# KiCad board ZSWatch-panelized.kicad_pcb (continued)
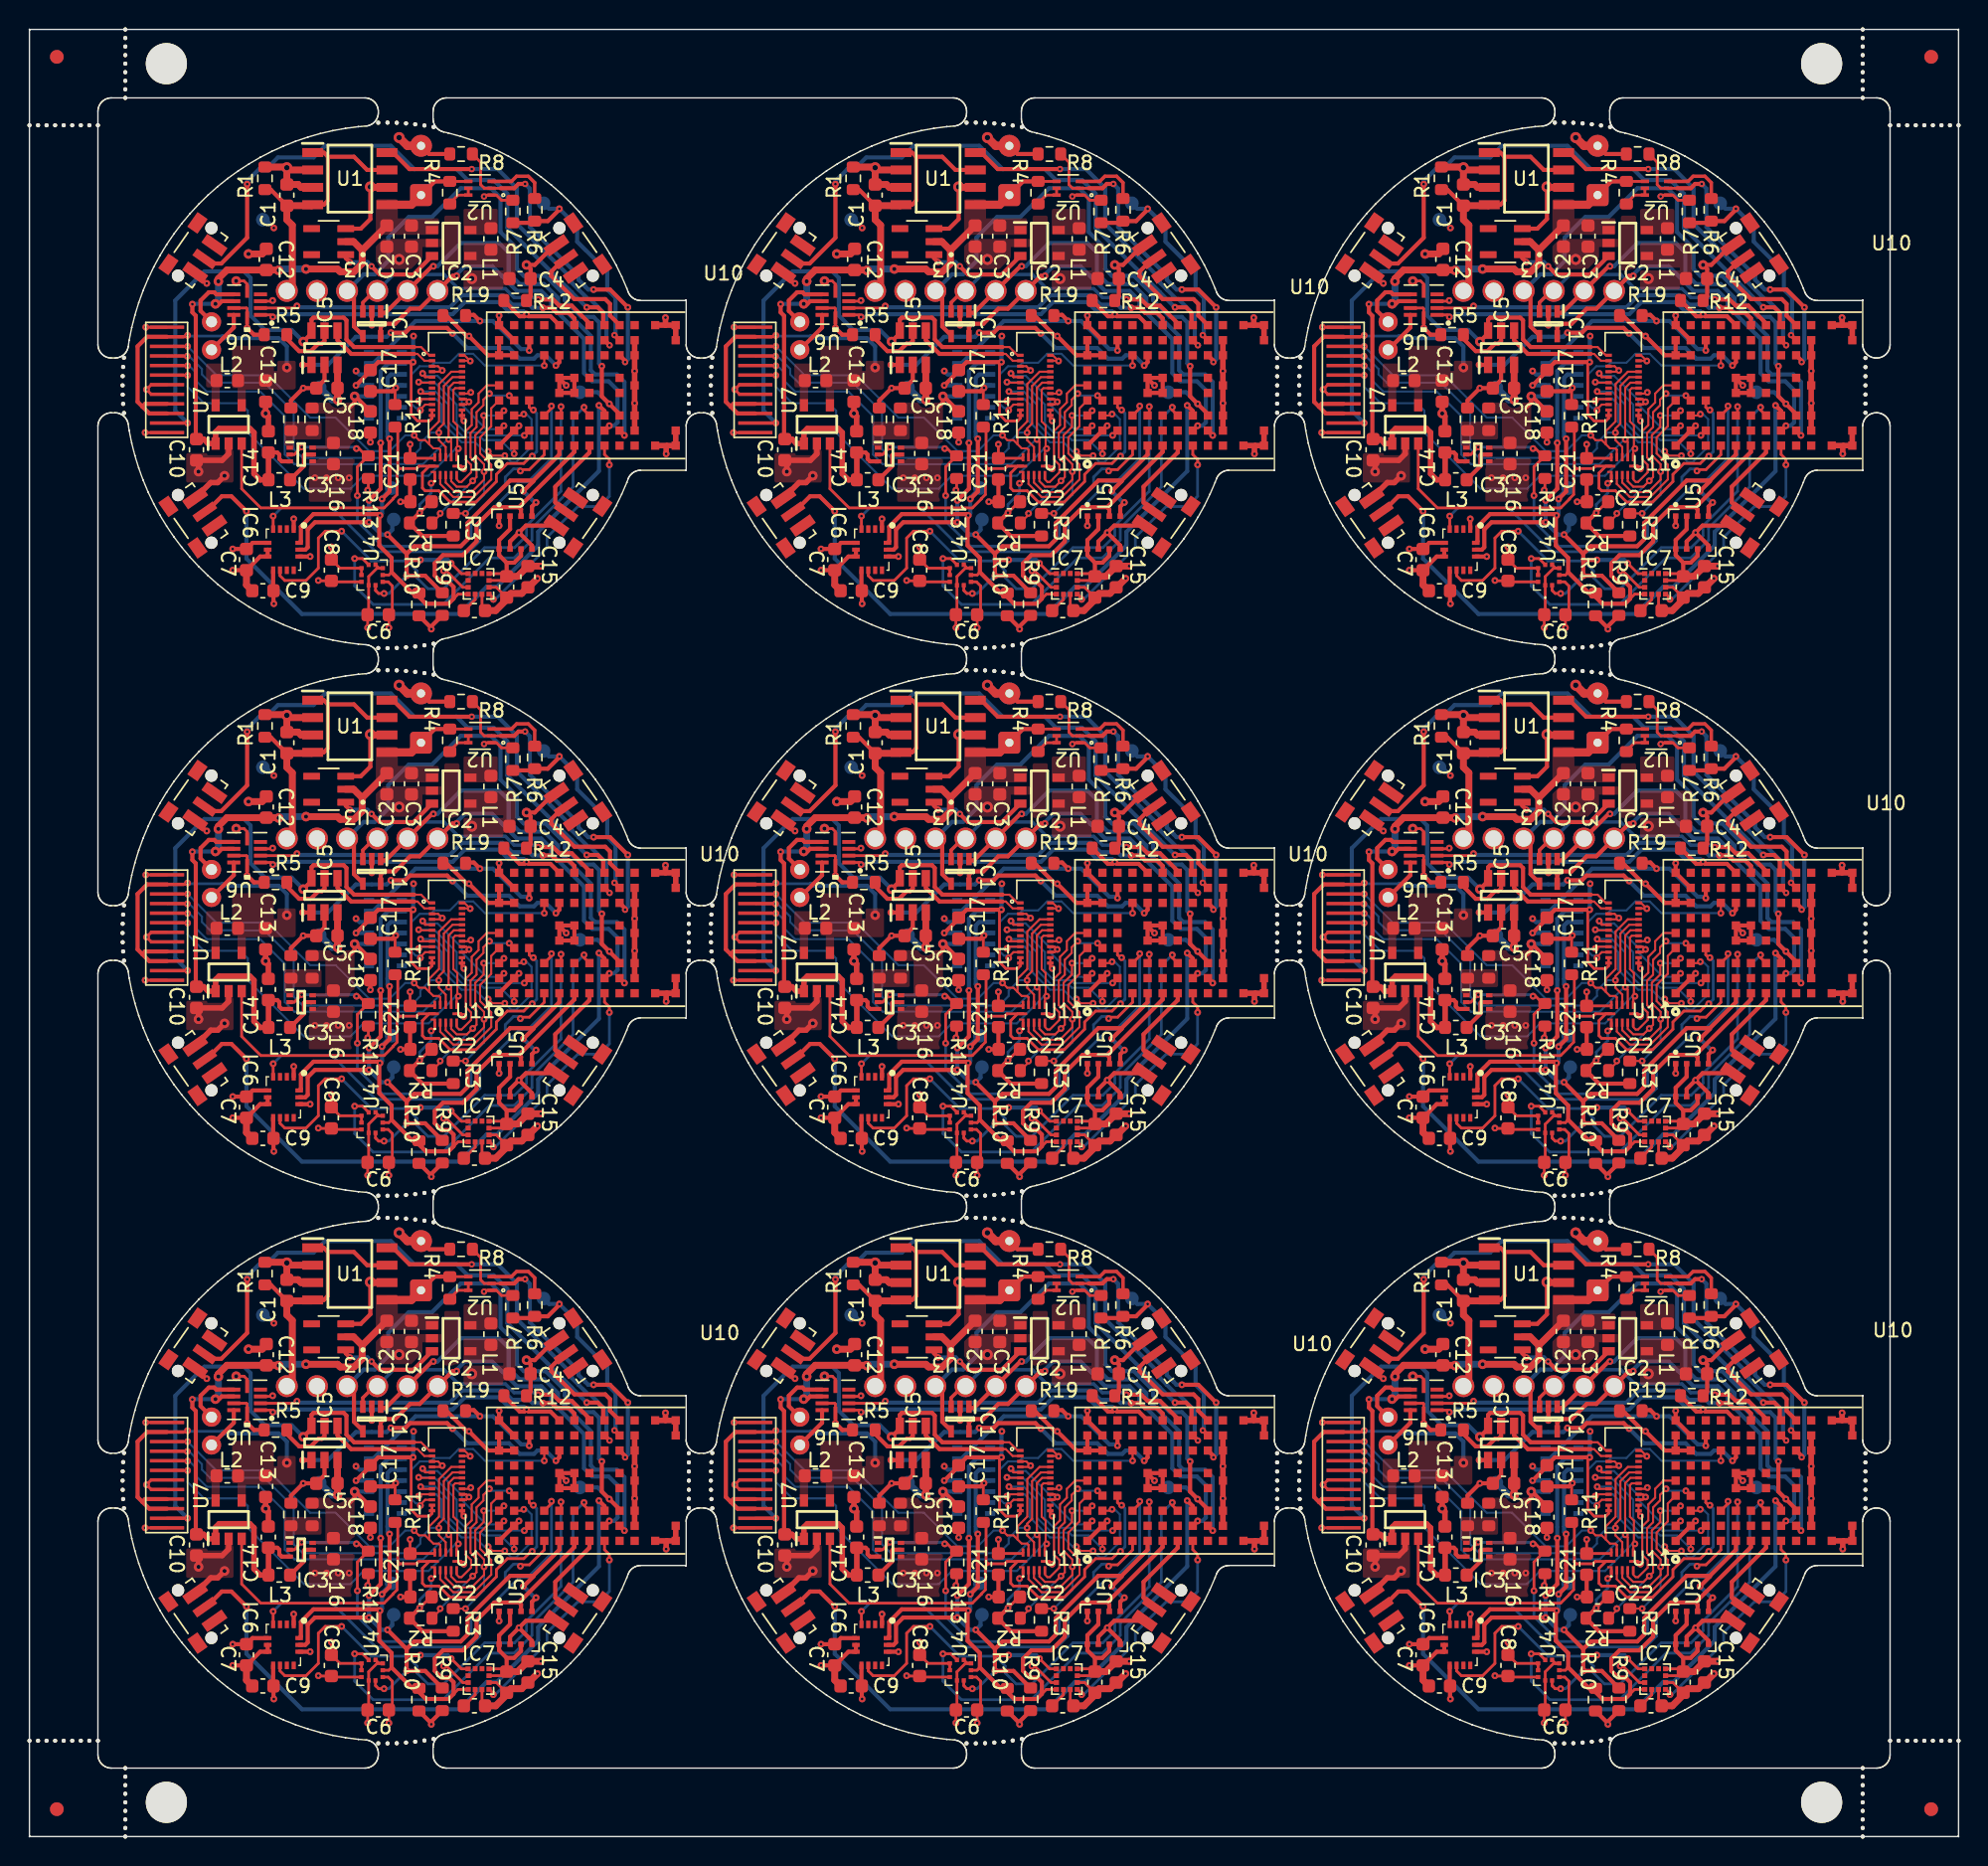
[diagram p0: board, top side]
## Routing (per net, layer and track width the routed paths; a pad name or vN(x,y) marks a point on that pad's centre or on a via; arc(x,y) is an arc through that point) (continued)
Board_0-SCL_ANNA: length 56.6
  Top w0.2: U4#3.2 25.27,91.02 25.5,90.8 v1(25.9,90.8) ; v1(30.8,93) 31.55,92.25 32,92.25
  Top w0.3: v1(36.07,98.27) 36.8,99 36.8,99.05 ; U5#3.4 36.7,97.15 v1(37,97.45) ; R9#8.1 28.9,92.1 v1(27.55,92.1) 27.55,93.25 ; 36.8,99.05 38.69,100.95 U10#6.E1 ; 36.8,99.05 35.1,99.05 32,95.95 32,94.76 31.49,94.25 28.1,94.25 27.55,93.7 ; 27.55,93.7 v1(26.15,95.1) ; 27.55,93.7 27.55,93.25 ; v1(25.65,101.8) 25.65,98.45 v1(24.8,97.6) ; 27.55,93.25 28.55,93.25 v1(28.55,93.25) ; v1(24.8,96) 20.85,96 20.32,95.47 20.32,94.17 20.15,94 IC6#7.13
  Bottom w0.2: v1(27.55,92.1) 26.25,90.8 v1(25.9,90.8)
  Bottom w0.3: v1(28.55,93.25) 30.55,93.25 v1(30.8,93) ; 26.5,96.2 26.5,95.45 v1(26.15,95.1) 25.7,95.1 v1(24.8,96) v1(24.8,97.6) ; v1(37,97.45) 36.9,97.45 v1(36.07,98.27) ; v1(25.65,101.8) 25.65,107.05 26.2,107.6 IC4#3.2
Board_0-SDA_ANNA: length 51.2
  Top w0.2: U4#3.4 26.25,92.15 26.45,92.35 ; 32,90.75 31.3,90.75 30.97,90.42
  Top w0.3: 35.75,97.1 35.9,96.95 U5#3.3 ; 35.75,97.1 33.95,97.1 32.65,95.8 32.65,94.6 31.65,93.6 30.2,93.6 29.6,93 29.6,92.11 30.1,91.6 30.65,91.6 30.97,91.28 30.97,90.42 30.6,90.05 28.95,90.05 28.45,90.55 R10.1 27.97,90.82 26.45,92.35 26.45,93.4 25.55,94.3 25.55,96.45 v1(25.6,96.5) 25.5,96.6 20.74,96.6 19.82,95.68 19.82,94.62 IC6#7.14 ; 35.75,97.1 39.79,101.15 U10#6.F1 ; v1(25.75,97.7) 26.3,98.25 v1(26.3,102.1)
  Bottom w0.3: v1(25.6,96.5) 25.75,96.65 v1(25.75,97.7) 25.75,97.8 TP10.1 ; IC4#3.3 26.4,106.8 26.15,106.55 26.15,102.25 v1(26.3,102.1)
Board_0-SWDCLK: length 31.1
  Top w0.3: v1(43.45,102.35) U10#6.J2 ; 25.65,111.3 26,111.3 J2#9.2 29.4,114.7 v1(29.5,114.7)
  Bottom w0.3: v1(43.45,102.35) 43.45,106.25 42.9,106.8 41.3,106.8 41,107.1 41,109.61 38.6,112.01 38.6,112.39 37.58,113.4 35.8,113.4 35,114.2 35,115.7 34.3,116.4 31.5,116.4 29.8,114.7 v1(29.5,114.7)
Board_0-SWDIO: length 28.9
  Top w0.3: v1(31.2,114) 30.9,114 J2#9.1 28.5,111.6 27.8,111.6 26.7,110.5 25.9,110.5 25.65,110.25 25.65,109.5 ; v1(42.35,103.05) U10#6.H2
  Bottom w0.3: v1(31.2,114) 31.2,114.1 31.8,114.7 33.8,114.7 34.5,114 34.5,113.99 35.59,112.9 37.38,112.9 38.1,112.18 38.1,111.8 40.5,109.4 40.5,106.89 41.09,106.3 42.3,106.3 42.95,105.65 42.95,103.3 42.7,103.05 v1(42.35,103.05)
Board_0-TOUCH_INT: length 12
  Top w0.15: U10#6.A4 33.72,104.32 33.72,103.02 32.91,102.2 32.91,101.02 33.72,100.21 33.72,99.13 32.44,97.85 30.95,97.85 30,98.8 U11#2.2
Board_0-TOUCH_RST: length 9.5
  Top w0.15: 31.2,99.13 31.38,98.95 31.55,98.95 32.25,99.64 32.25,100.2 31.86,100.59 31.86,102.66 32.3,103.1 32.3,104.26 32.8,104.76 32.8,105.4 33.4,106 U10#6.A5
Board_0-TOUCH_SCL: length 15.9
  Top w0.15: U11#2.3 30.4,98.9 31.1,98.2 32.29,98.2 33.2,99.11 v1(33.2,99.7) 33.2,100.24 32.56,100.88 32.56,102.36 33.17,102.97 v1(33.17,103.8) ; v1(34.65,104.15) U10#6.A3 ; v1(31.85,96.65) R3#8.1
  Bottom w0.15: v1(34.65,104.15) U10#6.A3 v1(33.17,103.8) ; v1(33.2,99.7) 33.2,98 v1(31.85,96.65)
Board_0-TOUCH_SDA: length 15.9
  Top w0.15: R2.1 30,96.55 v1(30,96.65) ; v1(35.04,105.25) U10#6.B4 ; U11#2.4 30.8,99 31.2,98.6 31.95,98.6 31.95,98.6 v1(32.37,99.03) 32.37,99.03 32.65,99.3 32.65,100.29 32.21,100.73 32.21,102.51 32.65,102.95 32.65,104.04 33.15,104.55 33.15,104.96 v1(33.59,105.4)
  Bottom w0.15: v1(33.59,105.4) 33.74,105.25 v1(35.04,105.25) ; v1(30,96.65) 30,96.65 v1(32.37,99.03)
Board_0-UART_TX: length 19.7
  Top w0.25: J2#9.3 25.2,112.9 24.35,112.05 IC1#5.3
  Top w0.3: v1(37.15,112.27) 38.23,112.27 38.68,111.82 39.6,111.82 40.89,110.53 U10#6.G9
  Bottom w0.25: J2#9.3 26.6,114.1 30.28,114.1 31.32,113.06 34.76,113.06 35.4,112.42 37.01,112.42 v1(37.15,112.27)
Board_0-V_BAT: length 51.5
  Top w0.2: U2#3.4 R4#3.1
  Top w0.3: BT1#7.1 29.6,120.9 R4#3.1 ; v1(11.9,111.93) 11.9,111.33 12.15,111.08 12.15,102.27 12.35,102.07 12.4,102.12 ; v3(13.58,111.95) 13.85,111.95 14.05,112.15 U6#4.7 ; C14#4.1 18.1,101.1 18.25,100.95 18.25,100.62 18.42,100.45 IC3#7.3
  Top w0.4: C14#4.1 17.46,101.09 L3#7.1 16.85,99.1 16.4,99.55 16.4,102.55 16.1,102.85 13.85,102.85 13.6,102.6 U7#8.1 13.05,101.75 12.72,102.07 12.35,102.07
  Top w0.5: v3(20.2,114.5) 22.5,114.5 22.7,114.3 23.7,114.3 24.3,114.9 24.3,115.87 ; C2#4.2 24.3,115.87 ; 24.3,115.87 23.67,116.5 U3#8.2 ; v3(18.2,114.4) 18.17,114.42 C12#3.2 14.42,114.42 13.8,113.8 v3(13.8,113.6)
  Top w0.6: U1#2.5 27.89,119.19 BT1#7.1
  Bottom w0.3: v1(11.9,111.93) 11.92,111.95 v3(13.58,111.95)
  Bottom w0.5: v3(18.2,114.4) 18.3,114.5 v3(20.2,114.5) ; v3(13.8,113.6) 13.8,112.17 v3(13.58,111.95)
Board_0-VBUS: length 20.9
  Top w0.3: U1#2.1 21.49,123 21.8,122.7 ; 21.8,122.7 21.8,119.5 21.49,119.19 U1#2.4 ; 21.8,122.7 23.7,122.7 24.66,121.73 U1#2.7 ; R1#8.1 17.62,120.3 C1#6.1
  Top w0.5: J2#9.6 19.2,113.3 19.2,117.7 18.8,118.1 C1#6.1 20.62,119.12 U1#2.4
Board_1-5V_REG_EN: length 30.3
  Top w0.2: R13#9.1 66.91,100.05 v1(66.91,97.95) ; IC3.2 62.3,100.95 v4(62.84,101.49) ; v1(66.84,101.38) 67.02,101.38 67.61,100.8 ; v1(78.81,99.75) 78.91,99.85 79.47,99.85 80.55,100.93 U10#2.D1
  Bottom w0.2: v1(78.81,99.75) 78.66,99.9 78.31,99.9 77.71,99.3 77.71,98.7 75.21,96.2 75.21,94.95 74.51,94.25 68.73,94.25 66.91,96.07 v1(66.91,97.95) ; v1(66.84,101.38) 66.73,101.49 v4(62.84,101.49)
Board_1-+1V8: length 64
  Top w0.2: v1(64.06,91.75) 64.08,91.72 C8#3.2 65.08,91.65 U4#5.10 ; v1(72.3,98.85) 72.41,98.85 72.56,99 U11#5.1 ; v1(73.21,92.45) 73.41,92.45 74.61,91.25 74.96,91.25 ; C22#6.2 72.26,97.5 v1(71.46,96.7) ; 76.56,91.75 77.51,91.75 C19#2.2 77.61,92.25 76.56,92.25 ; U4#5.6 68.48,92.65 U4#5.5 68.34,92.65 67.73,92.04 U4#5.1 67.73,89.32 C6#5.1 v1(67.66,88.3) ; v1(70.98,107.7) 70.84,107.56 70.84,103.87 71.31,103.4 72.16,103.4 72.36,103.6 U13#2.12 72.36,104.18
  Top w0.3: R9#9.2 72.31,88.4 v1(72.31,88.2) 72.31,88.27 R10#9.2 ; U5#8.6 78.86,93.55 78.36,93.05 77.81,93.05 ; U10#2.A7 76.46,108.2 v1(75.06,109.6) 74.91,109.6 73.41,111.1 R19#2.1 73.41,111.1 ; U10#2.A7 U10#2.B7 ; U10#2.A7 U10#2.A8 ; v1(57.81,94.05) C7#4.1 59.26,94.5 IC6#8.5 ; v1(66.81,106) 67.86,107.05 C17#2.2 68.43,107.7 v1(70.98,107.7) ; U5#8.2 78.06,95.5 77.26,94.7 U5#8.8 77.26,93.6 77.81,93.05 ; 77.81,93.05 C19#2.2 ; R3#3.2 71.66,95 R2#8.2 v1(71.46,96.7) ; IC6#8.8 60.76,91.02 C9#2.2 60.78,90.07 v1(60.81,90.05) ; IC6#8.12 v1(63.46,93.5)
  Top w0.5: v1(80.31,92.8) C15#2.1 78.61,92.05 C19#2.2
  Bottom w0.2: v1(71.46,96.7) 71.46,97.3 72.3,98.14 v1(72.3,98.85)
  Bottom w0.3: v1(60.81,117.5) 60.21,118.1 TP8#6.1 ; v1(71.01,109.6) 70.98,109.57 v1(70.98,107.7) ; v1(66.81,106) IC4#6.11
  vias: v2(75.26,113.8)
Board_1-+5V: length 5
  Top w0.3: 66.36,104.4 66.71,104.75 v3(66.71,105.2) 66.76,105.2 C18#2.1
  Bottom w0.3: IC4#6.10 v3(66.71,105.2) 67.51,104.4 IC4#6.9
Board_1-/C1: length 1.6
  Top w0.2: 75.51,90.75 75.51,90.35 74.71,89.55 C11#9.1
Board_1-/D2: length 4.7
  Top w0.25: R6#9.1 79.86,120.81 79.39,121.28 78.53,121.28 78.16,120.9 U2#6.3
Board_1-/G2: length 2.2
  Top w0.2: R4.2 73.66,119.3 74.26,119.9 U2#6.6 U2#6.5
Board_1-/ISET: length 4.5
  Top w0.3: R5#5.2 61.76,109.4 62.66,108.5 63.51,108.5 64.06,109.05 64.31,109.05 64.51,109.25 IC5#3.5
Board_1-/MOTOR_OUT+: length 3.2
  Top w0.3: U6#7.9 57.88,110.22 M1#5.1
Board_1-/MOTOR_OUT-: length 4.6
  Top w0.3: U6#7.6 56.61,112.65 56.46,112.8 56.06,112.8 55.46,112.2 55.46,111.44 M1#5.2
Board_1-/SW: length 2.9
  Top w0.3: IC3.5 63.06,100.95 63.01,100.9 63.01,100.11 L3#4.2
Board_1-/TOUCH_HIGH_INT-DC: length 31.4
  Top w0.15: 72.16,101.7 72.16,102.66 72.87,103.37 72.87,106.1 73.76,107 U13#2.21 ; 72.16,101.7 72.46,101.4 72.86,101.4 72.96,101.3 ; 72.16,101.7 71.86,102 71.41,102 v1(71.06,102.35) ; 72.93,101.32 72.96,101.3 ; 72.96,101.3 U11#5.10 ; v1(54.51,108.85) U12#2.10
  Bottom w0.15: v1(54.51,108.85) 54.51,108.85 56.61,106.75 60.36,106.75 63.46,103.65 65.32,103.65 67.77,101.2 69.26,101.2 70.41,102.35 v1(71.06,102.35)
Board_1-/TOUCH_HIGH_RST-SDA: length 33
  Top w0.15: v1(74.28,101.38) 74.16,101.26 U11#5.7 ; 54.49,106.75 U12#2.7 ; 74.21,101.46 74.21,103.07 73.92,103.36 73.92,105.67 74.05,105.8 U13#2.18
  Bottom w0.15: v1(54.51,106.73) 54.51,105.9 55.71,104.7 58.36,104.7 58.91,104.15 58.91,102.55 63.01,98.45 66.41,98.45 67.36,99.4 72.11,99.4 74.09,101.38 v1(74.28,101.38)
Board_1-/TOUCH_HIGH_SCL-CS: length 32.9
  Top w0.15: U12#2.9 53.03,108.13 v1(54.49,108.13) ; U11#5.9 73.36,101.5 72.86,102 v1(72.86,102.55) 72.86,102.85 73.22,103.21 73.22,105.96 73.86,106.6 U13#2.20
  Bottom w0.15: v1(54.49,108.13) 54.63,108.13 55.56,107.2 55.56,106.8 56.16,106.2 60.11,106.2 62.26,104.05 62.26,101.35 62.91,100.7 70.81,100.7 71.51,101.4 71.51,101.79 72.26,102.55 v1(72.86,102.55)
Board_1-/TOUCH_HIGH_SDA-SCL: length 32.6
  Top w0.15: U11#5.8 73.76,101.87 v1(73.58,102.05) 73.57,102.06 73.57,105.81 73.95,106.2 U13#2.19 ; v1(54.51,107.43) 54.49,107.45 U12#2.8
  Bottom w0.15: v1(73.58,102.05) 73.5,102.05 71.71,100.25 62.31,100.25 61.61,100.95 61.61,103.75 59.81,105.55 55.91,105.55 55.11,106.35 55.11,106.95 54.63,107.43 v1(54.51,107.43)
Board_1-/~{RESET_BAT_SUP}: length 7.6
  Top w0.3: v4(67.94,114.7) 68.54,114.1 71.01,114.1 IC2#3.3 ; U3#4.1 66.06,115.3 v4(66.36,115)
  Bottom w0.3: v4(66.36,115) 67.64,115 v4(67.94,114.7)
Board_1-BAT_MON: length 16.5
  Top w0.3: R6#9.2 80.81,118 81.66,118.85 v1(81.66,118.9) ; R7#8.1 79.73,117.87 ; v4(85.68,109.67) U10#2.J8
  Bottom w0.3: v4(85.68,109.67) 85.76,109.75 85.76,112.4 85.16,113 85.16,114.3 82.96,116.5 82.96,117.6 v1(81.66,118.9) 80.91,118.9 TP3#2.1
Board_1-BAT_MON_EN: length 23.8
  Top w0.2: R8#9.2 75.91,122.3 75.91,120.67 76.18,120.4 U2#6.2 77.36,120.4
  Top w0.3: v1(84.16,113) 85.36,113 v1(86.66,111.7) ; 77.36,120.4 78.36,120.4 78.67,120.72 v4(79.16,120.72) ; v4(86.46,107.7) 86.46,107.8 U10#2.J7
  Bottom w0.3: v4(79.16,120.72) 79.5,120.37 79.5,117.56 83.06,114.01 83.06,113.71 83.56,113.21 83.56,113.21 83.76,113 v1(84.16,113) ; v1(86.66,111.7) 86.66,107.9 v4(86.46,107.7)
Board_1-BMP581_INT: length 30.7
  Top w0.2: U10#2.G3 83.46,104.2 v1(83.46,104.4) ; U4#5.7 67.28,93.35 v1(66.71,93.35)
  Bottom w0.2: v1(66.71,93.35) 66.71,91.35 68.06,90 73.16,90 76.56,93.4 78.36,93.4 79.66,94.7 79.66,95.58 82.66,98.58 82.66,103.6 v1(83.46,104.4)
Board_1-BTN_1: length 45.4
  Top w0.3: S1#6.2 55.87,96.77 57.01,97.9 57.71,97.9 v1(58.81,96.8) ; U10#2.H3 84.95,104.13 v1(84.55,104.54)
  Bottom w0.3: v1(84.55,104.54) 84.55,99.74 80.11,95.3 80.11,94.3 77.11,91.3 76.36,91.3 74.36,89.3 62.86,89.3 58.81,93.35 v1(58.81,96.8)
Board_1-BTN_2: length 8.8
  Top w0.3: U10#2.J9 85.36,111.1 85.36,111.95 85.01,112.3 82.76,112.3 81.06,114 81.06,114.3 81.99,115.23 S2#9.2
Board_1-BTN_3: length 42.5
  Top w0.3: v1(83.66,111.7) 84.46,111.7 84.86,111.3 84.86,110.5 ; v1(58.86,120.7) 58.86,116.79 56.97,114.9 56.1,114.9 S3#8.2
  Bottom w0.3: v1(58.86,120.7) 58.86,120.92 59.74,121.8 60.26,121.8 61.11,122.65 63.71,122.65 64.56,123.5 69.36,123.5 71.06,121.8 74.16,121.8 74.96,121 76.86,121 77.86,120 77.86,117.51 79.06,116.31 79.06,116.3 82.56,112.8 82.56,112.79 83.65,111.7 v1(83.66,111.7)
Board_1-BTN_4: length 6.3
  Top w0.3: S4#7.2 82.04,96.77 81.36,97.45 81.36,98.6 83.85,101.1 U10#2.G1
Board_1-CHG: length 25.5
  Top w0.3: U10#2.H8 v4(85.33,108.93) ; v4(75.26,121.8) 70.71,121.8 69.51,123 U1#5.8
  Bottom w0.3: v4(85.33,108.93) 85.1,109.16 85.1,111.11 83.91,112.3 83.76,112.3 83.06,113 83.06,113.01 82.56,113.51 82.56,113.8 78.56,117.8 78.56,120.4 77.16,121.8 v4(75.26,121.8)
Board_1-DISPLAY_3V3: length 31.5
  Top w0.15: U13#2.24 74.73,108.2 v1(75.15,107.78) 75.13,107.8 U13#2.23 ; U13#2.14 U13#2.13 ; v1(75.19,105.49) 75.1,105.4 U13#2.17 ; 74.55,103.55 v1(74.69,103.41)
  Top w0.2: U12#2.11 54.41,109.55 v1(54.51,109.65) ; U13#2.13 74.55,103.55 ; v1(70.76,101.7) C21#6.2 72.48,100.67 U11#5.11
  Top w0.3: U12#2.11 51.56,109.55 50.86,108.85 50.86,104.8 51.21,104.45 ; U12#2.4 51.41,104.65 51.21,104.45 ; 51.21,104.45 51.71,103.95 U12#2.3
  Top w0.5: IC5#3.3 C5#2.2 v3(65.46,104.95)
  Bottom w0.2: v1(54.51,109.65) 54.56,109.6 57.06,109.6
  Bottom w0.3: 57.06,109.6 57.21,109.45 61.16,109.45 61.76,108.85 v3(61.76,107.3)
  Bottom w0.5: v3(65.46,104.95) 65.06,104.95 TP11#9.1
Board_1-DISPLAY_BLK: length 22.5
  Top w0.3: v1(73.86,109.8) 73.46,110.2 70.76,110.2 70.41,109.85 v1(69.36,109.85) ; IC5#3.1 v1(62.91,107.5) ; U10#2.E7 81.66,108.2 81.66,107.7 v1(81.41,107.45)
  Bottom w0.3: v1(69.36,109.85) 69.06,109.55 66.81,109.55 64.76,107.5 v1(62.91,107.5) ; v1(81.41,107.45) 80.66,108.2 80.06,108.2 79.81,107.95 78.76,107.95 77.98,108.73 74.93,108.73 v1(73.86,109.8)
Board_1-DISPLAY_CLK: length 11
  Top w0.15: U13#2.8 71.68,105.4 v1(71.53,105.55) ; U10#2.B1 78.36,101.6 v1(78.36,101)
  Bottom w0.15: v1(71.53,105.55) 72.6,105.55 73.56,104.6 73.56,103.3 74.66,102.2 75.92,102.2 76.13,102 77.36,102 v1(78.36,101)
Board_1-DISPLAY_CS: length 15.9
  Top w0.15: U13#2.9 71.52,105 v1(71.39,104.87) ; v1(77.67,100.87) 76.77,100.87 v1(76.46,101.18) ; U10#2.B3 78.96,103.8 v1(79.06,103.9)
  Bottom w0.15: v1(71.39,104.87) 71.52,105 72.66,105 73.06,104.6 73.06,103.31 74.52,101.85 75.51,101.85 76.18,101.18 v1(76.46,101.18) ; v1(79.06,103.9) 79.26,103.9 79.63,103.53 79.63,101.53 78.5,100.4 78.14,100.4 v1(77.67,100.87)
Board_1-DISPLAY_DATA: length 11.6
  Top w0.15: v1(79.1,102.35) U10#2.C2 ; v1(71.38,106.24) 71.42,106.2 U13#2.6
  Bottom w0.15: v1(71.38,106.24) 72.52,106.24 74.16,104.6 74.16,103.2 74.81,102.55 76.07,102.55 76.27,102.35 v1(79.1,102.35)
Board_1-DISPLAY_DC: length 9.3
  Top w0.15: U13#2.5 71.86,106.6 71.85,106.61 71.85,106.7 v1(71.67,106.87) ; v1(77.61,103.05) U10#2.A2
  Bottom w0.15: v1(71.67,106.87) 71.67,106.81 71.79,106.7 72.76,106.7 74.53,104.92 74.53,104.58 76.31,102.8 77.35,102.8 v1(77.61,103.05)
Board_1-DISPLAY_EN: length 40.3
  Top w0.2: 69.98,99.92 71.22,99.92 71.4,100.1 U11#5.12 72.16,100.1 71.66,99.6 71.66,98.5 71.86,98.3 72.86,98.3 73.68,97.47 75.56,97.47 77.06,98.97 77.06,99.5 77.86,100.3 79.06,100.3 79.59,100.83 v1(79.67,100.83) ; 69.98,99.92 69.81,99.75 69.81,98.03 69.51,97.73 69.51,97.7 68.86,97.05 59.86,97.05 58.46,98.45 U7#2.3 ; 69.98,99.92 69.86,100.05 69.86,102.75 R11#8.1 ; U10#2.C4 79.45,104.4 79.66,104.2 v1(79.76,104.2)
  Bottom w0.2: v1(79.76,104.2) 80,103.96 80,101.16 v1(79.67,100.83)
Board_1-DISPLAY_RST: length 15.5
  Top w0.15: v1(71.51,104.18) 71.6,104.27 71.6,104.34 71.86,104.6 U13#2.10 ; U10#2.D7 80.56,108.2 v1(80.56,107.45)
  Bottom w0.15: v1(80.56,107.45) 76.22,107.45 75.36,108.3 74.31,108.3 73.66,107.65 72.51,107.65 72.26,107.4 71.46,107.4 70.86,106.8 70.86,104.65 71.17,104.34 71.35,104.34 v1(71.51,104.18)
Board_1-DRV_VIB_EN: length 25.2
  Top w0.2: v1(60.73,111) 60.58,111.15 U6#7.1
  Top w0.3: R12#9.1 78.76,111.05 79.11,111.05 v1(79.26,111.2) 79.41,111.05 81,111.05 U10#2.E9
  Bottom w0.3: v1(60.73,111) 61.06,111 61.26,111.2 73.86,111.2 74.75,112.09 77.26,112.09 77.94,111.4 79.06,111.4 v1(79.26,111.2)
Board_1-DRV_VIB_PWM: length 24.6
  Top w0.2: U6#7.2 62.35,111.65 v1(62.5,111.8)
  Top w0.3: v1(80.46,111.66) 81.1,111.66 81.46,111.3 82.36,111.3 82.75,110.9 U10#2.F9
  Bottom w0.3: v1(62.5,111.8) 62.6,111.7 73.66,111.7 74.54,112.59 77.52,112.59 78.21,111.9 79.46,111.9 79.69,111.66 v1(80.46,111.66)
Board_1-GND: length 117.3
  Top w0.15: U13#2.3 72.8,107.4 v1(73.11,107.09) 73.01,107 U13#2.4 ; U13#2.15 74.86,104.6 v1(75.06,104.8) 74.86,105 U13#2.16
  Top w0.2: v1(65.01,94.2) C8#3.1 65.63,92.65 U4#5.8 U4#5.9 ; v1(69.71,105.82) 69.66,105.77 R11#8.2 ; v1(58.86,110.2) U6#7.10 58.86,111.6 58.81,111.65 U6#7.8 ; v1(67.66,98.35) 67.71,98.4 R13#9.2 ; 76.01,90.75 76.01,89.77 C11#9.2 ; v3(58.06,113.63) 58.63,113.63 58.86,113.4 U6#7.5 ; U12#2.12 v1(51.46,110.25) ; C19#2.1 77.06,91.25 76.56,91.25 ; R7#8.2 77.43,119.52 77.06,119.9 U2#6.1 76.26,119.9 v4(76.16,119.8) ; U12#2.6 51.86,106.05 v1(51.51,105.7) 51.86,105.35 U12#2.5 ; v1(69.21,88.3) C6#5.2 69.46,89.5 69.46,91.35 69.16,91.65 U4#5.3 ; U11#5.6 74.48,100.1 v1(74.68,99.9) ; v1(60.72,112.2) 60.67,112.15 U6#7.3 ; U12#2.1 v1(51.41,102.55)
  Top w0.3: U10#2.E5 U10#2.F5 U10#2.F4 U10#2.E4 U10#2.E5 ; U10#2.E5 81.65,106.5 v1(82.16,106) ; v1(77.26,111.1) 77.25,111.1 U10#2.A9 U10#2.B8 ; IC6#8.6 IC6#8.7 59.81,93.5 C7#4.2 v1(57.81,92.5) ; IC5#3.2 64.51,106.4 C5#2.1 v1(62.96,105.8) 62.06,104.9 R18#5.1 ; U3#4.3 67.16,117.45 67.86,118.15 v2(67.86,120.5) ; S2#9.3 81.3,116.24 79.86,114.8 v3(79.26,114.8) 79.56,114.5 C4#8.2 79.56,112.5 R12#9.2 ; v1(78.71,103.05) U10#2.B2 U10#2.A1 ; v1(55.91,113.45) 55.84,113.45 S3#8.3 ; v1(70.06,97.5) C22#6.1 70.76,97.52 C21#6.1 ; C18#2.2 v1(67.86,101.85) ; 67.96,111.3 v1(67.96,110.4) ; U5#8.1 v1(77.26,95.75) ; v1(78.71,95.25) 79.66,94.3 U5#8.5 ; v1(78.71,95.25) 78.06,94.6 U5#8.7 ; v1(78.71,95.25) 79.22,95.76 S4#7.1 ; R8#9.1 72.16,122.9 BT1#2.2 ; IC6#8.1 v1(62.26,96.25) ; v1(58.86,110.2) 59.36,109.7 R5#5.1 ; C17#2.1 69.46,105.57 v1(69.71,105.82)
  Top w0.4: 89.41,110.4 v1(89.41,110.95) ; 89.41,110.4 U10#2.M9 U10#2.M8 ; 89.41,110.4 U10#2.L9 ; 89.51,101.6 89.46,101.55 v1(89.46,101) ; 89.51,101.6 U10#2.M1 U10#2.M2 ; 89.51,101.6 U10#2.L1 ; U10#2.K8 U10#2.K7 v1(87.15,107.05) U10#2.K5 87.15,104.7 v1(87.16,104.7) 87.15,104.7 U10#2.K3 U10#2.K2 ; v3(55.31,99.7) 55.31,100.52 57.03,100.52 57.51,101 U7#2.2 ; C14#9.2 60.41,103.75 v3(60.21,103.95) C13#2.2 ; v3(57.21,99.4) 56.71,98.9 56.19,98.9 S1#6.1
  Top w0.5: v2(61.76,121.9) 61.71,121.95 R1#9.2 ; v2(61.76,121.9) C1#5.2 62.58,120.67 62.79,120.46 U1#5.3 ; v2(61.76,121.9) 61.92,121.73 U1#5.2 ; C11#9.2 77.01,89.55 77.81,90.35 C19#2.1 78.11,90.8 78.91,90.8 C15#2.2 79.41,91.25 v1(80.06,91.9) ; C7#4.2 58.81,91.42 C9#2.1 ; v3(58.96,115.6) 59.96,115.6 60.26,115.9 C12.1 ; v2(67.86,120.5) 67.89,120.46 U1#5.6
  Top w0.6: BT1#2.2 70.56,123.5 v2(69.96,124.1)
  Bottom w0.3: IC4#6.4 69.89,106 v1(69.71,105.82) ; IC4#6.12 67.06,106.8 v1(66.81,107.05)
  vias: v1(63.81,99.25) v1(64.66,99.25) v1(65.51,99.25) v1(66.31,99.25) v2(69.96,115.2)
Board_1-INT1_LIS: length 31.2
  Top w0.2: v1(81.08,104.49) 81.08,104.32 U10#2.D3 ; IC6#8.4 v1(60.76,96.45)
  Bottom w0.2: v1(60.76,96.45) 61.36,97.05 65.06,97.05 68.26,93.85 75.06,93.85 75.86,94.65 75.86,96.05 78.76,98.95 79.36,98.95 81.08,100.67 v1(81.08,104.49)
Board_1-INT2_LIS: length 36.1
  Top w0.2: U10#2.E3 81.78,103.92 v1(81.78,104.45) ; IC6#8.9 61.26,92.1 61.61,91.75 63.16,91.75 64.06,92.65 64.06,94.85 64.56,95.35 v1(65.76,95.35)
  Bottom w0.2: v1(81.78,104.45) 81.78,98.27 79.26,95.75 79.26,95.02 78.38,94.15 76.21,94.15 73.21,91.15 72.06,91.15 71.26,91.95 71.26,92.45 70.53,93.17 67.93,93.17 v1(65.76,95.35)
Board_1-LEDK1: length 37.5
  Top w0.15: U13#2.1 72.16,108.2 71.56,108.8 71.06,108.8
  Top w0.2: U12#2.2 v1(54.51,103.25)
  Top w0.3: 71.06,108.8 66.66,108.8 66.11,109.35 66.11,110.75 65.91,110.95 63.71,110.95 63.56,110.8 IC5#3.6 63.56,109.8 v3(62.96,109.2)
  Bottom w0.3: v3(62.96,109.2) 62.11,110.05 60.16,110.05 59.11,111.1 59.11,113.85 58.63,114.33 55.73,114.33 53.61,112.2 53.61,104.15 v1(54.51,103.25)
Board_1-LEDK2: length 8.2
  Top w0.15: 71.06,108.3 71.3,108.3 71.8,107.8 U13#2.2
  Top w0.3: IC5#3.4 65.46,109.3 66.46,108.3 71.06,108.3
Board_1-LIS2MDL_INT: length 16.4
  Top w0.2: v1(76.84,90.37) 76.84,90.47 76.56,90.75 ; U10#2.H1 84.95,100.95 85.31,100.6 v1(85.31,100.2)
  Bottom w0.2: v1(85.31,100.2) 85.31,97.9 84.56,97.15 83.01,97.15 80.76,94.9 80.76,94.15 76.98,90.37 v1(76.84,90.37)
Board_1-MAX30_INT: length 15.9
  Top w0.3: U10#2.C8 79.46,109.3 v1(79.46,108.55) ; 74.81,111.15 75.41,111.15 v1(75.86,110.7)
  Bottom w0.3: v1(79.46,108.55) 79.36,108.65 78.86,108.65 76.81,110.7 v1(75.86,110.7) 71.16,110.7 68.06,107.6 IC4#6.13
Board_1-RESET_N: length 42.1
  Top w0.3: v1(84.76,107.4) 84.76,105.2 v1(85.31,104.65) 86.05,103.9 U10#2.J3 ; 66.66,112.4 66.66,110.3 67.31,109.65
  Bottom w0.3: v1(84.76,107.4) 84.56,107.6 84.56,110.6 84.16,111 83.27,111 82.06,112.21 82.06,112.59 80.65,114 79.06,114 78.56,114.5 78.56,116 77.36,117.2 77.36,119.7 76.66,120.4 74.46,120.4 72.36,118.3 70.66,118.3 69.16,116.8 69.16,115.09 68.18,114.11 67.37,114.11 J2#6.4 ; v1(85.31,104.65) 84.46,105.5 TP12#8.1
Board_1-SCL_ANNA: length 56.6
  Top w0.2: v1(68.86,90.8) 68.46,90.8 68.23,91.02 U4#5.2 ; v1(73.76,93) 74.51,92.25 74.96,92.25
  Top w0.3: v1(67.76,97.6) 68.61,98.45 v1(68.61,101.8) ; 70.51,93.7 v1(69.11,95.1) ; 70.51,93.7 70.51,93.25 ; 70.51,93.7 71.06,94.25 74.45,94.25 74.96,94.76 74.96,95.95 78.06,99.05 79.76,99.05 ; U5#8.4 79.66,97.15 v1(79.96,97.45) ; IC6#8.13 63.11,94 63.28,94.17 63.28,95.47 63.81,96 v1(67.76,96) ; 70.51,93.25 v1(70.51,92.1) 71.86,92.1 R9#9.1 ; 70.51,93.25 71.51,93.25 v1(71.51,93.25) ; v1(79.03,98.27) 79.76,99 79.76,99.05 ; U10#2.E1 81.65,100.95 79.76,99.05
  Bottom w0.2: v1(70.51,92.1) 69.21,90.8 v1(68.86,90.8)
  Bottom w0.3: 69.46,96.2 69.46,95.45 v1(69.11,95.1) 68.66,95.1 v1(67.76,96) v1(67.76,97.6) ; IC4#6.2 69.16,107.6 68.61,107.05 v1(68.61,101.8) ; v1(71.51,93.25) 73.51,93.25 v1(73.76,93) ; v1(79.96,97.45) 79.86,97.45 v1(79.03,98.27)
Board_1-SDA_ANNA: length 51.2
  Top w0.2: 69.41,92.35 69.21,92.15 U4#5.4 ; 73.93,90.42 74.26,90.75 74.96,90.75
  Top w0.3: U5#8.3 78.86,96.95 78.71,97.1 ; v1(69.26,102.1) 69.26,98.25 v1(68.71,97.7) ; 78.71,97.1 76.91,97.1 75.61,95.8 75.61,94.6 74.61,93.6 73.16,93.6 72.56,93 72.56,92.11 73.06,91.6 73.61,91.6 73.93,91.28 73.93,90.42 73.56,90.05 71.91,90.05 71.41,90.55 R10#9.1 70.93,90.82 69.41,92.35 69.41,93.4 68.51,94.3 68.51,96.45 v1(68.56,96.5) 68.46,96.6 63.7,96.6 62.78,95.68 62.78,94.62 IC6#8.14 ; 78.71,97.1 82.75,101.15 U10#2.F1
  Bottom w0.3: TP10#4.1 68.71,97.8 v1(68.71,97.7) 68.71,96.65 v1(68.56,96.5) ; IC4#6.3 69.36,106.8 69.11,106.55 69.11,102.25 v1(69.26,102.1)
Board_1-SWDCLK: length 31.1
  Top w0.3: v1(72.46,114.7) 72.36,114.7 J2#6.2 68.96,111.3 68.61,111.3 ; v1(86.41,102.35) U10#2.J2
  Bottom w0.3: v1(72.46,114.7) 72.76,114.7 74.46,116.4 77.26,116.4 77.96,115.7 77.96,114.2 78.76,113.4 80.54,113.4 81.56,112.39 81.56,112.01 83.96,109.61 83.96,107.1 84.26,106.8 85.86,106.8 86.41,106.25 v1(86.41,102.35)
Board_1-SWDIO: length 28.9
  Top w0.3: v1(74.16,114) 73.86,114 J2#6.1 71.46,111.6 70.76,111.6 69.66,110.5 68.86,110.5 68.61,110.25 68.61,109.5 ; v1(85.31,103.05) U10#2.H2
  Bottom w0.3: v1(74.16,114) 74.16,114.1 74.76,114.7 76.76,114.7 77.46,114 77.46,113.99 78.55,112.9 80.34,112.9 81.06,112.18 81.06,111.8 83.46,109.4 83.46,106.89 84.05,106.3 85.26,106.3 85.91,105.65 85.91,103.3 85.66,103.05 v1(85.31,103.05)
Board_1-TOUCH_INT: length 12
  Top w0.15: U10#2.A4 76.68,104.32 76.68,103.02 75.87,102.2 75.87,101.02 76.68,100.21 76.68,99.13 75.4,97.85 73.91,97.85 72.96,98.8 U11#5.2
Board_1-TOUCH_RST: length 9.5
  Top w0.15: 74.16,99.13 74.34,98.95 74.51,98.95 75.21,99.64 75.21,100.2 74.82,100.59 74.82,102.66 75.26,103.1 75.26,104.26 75.76,104.76 75.76,105.4 76.36,106 U10#2.A5
Board_1-TOUCH_SCL: length 15.9
  Top w0.15: U11#5.3 73.36,98.9 74.06,98.2 75.25,98.2 76.16,99.11 v1(76.16,99.7) 76.16,100.24 75.52,100.88 75.52,102.36 76.13,102.97 v1(76.13,103.8) ; v1(74.81,96.65) R3#3.1 ; v1(77.61,104.15) U10#2.A3
  Bottom w0.15: v1(76.16,99.7) 76.16,98 v1(74.81,96.65) ; v1(77.61,104.15) U10#2.A3 v1(76.13,103.8)
Board_1-TOUCH_SDA: length 15.9
  Top w0.15: v1(72.96,96.65) 72.96,96.55 R2#8.1 ; v1(76.55,105.4) 76.11,104.96 76.11,104.55 75.61,104.04 75.61,102.95 75.17,102.51 75.17,100.73 75.61,100.29 75.61,99.3 75.33,99.03 v1(75.33,99.03) 74.91,98.6 74.91,98.6 74.16,98.6 73.76,99 U11#5.4 ; v1(78,105.25) U10#2.B4
  Bottom w0.15: v1(76.55,105.4) 76.7,105.25 v1(78,105.25) ; v1(75.33,99.03) 72.96,96.65 v1(72.96,96.65)
Board_1-UART_TX: length 19.7
  Top w0.25: IC1#6.3 67.31,112.05 68.16,112.9 J2#6.3
  Top w0.3: U10#2.G9 83.85,110.53 82.56,111.82 81.64,111.82 81.19,112.27 v1(80.11,112.27)
  Bottom w0.25: v1(80.11,112.27) 79.97,112.42 78.36,112.42 77.72,113.06 74.28,113.06 73.24,114.1 69.56,114.1 J2#6.3
Board_1-V_BAT: length 51.5
  Top w0.2: U2#6.4 R4.1
  Top w0.3: BT1#2.1 72.56,120.9 R4.1 ; v3(56.54,111.95) 56.81,111.95 57.01,112.15 U6#7.7 ; C14#9.1 61.06,101.1 61.21,100.95 61.21,100.62 61.38,100.45 IC3.3 ; v1(54.86,111.93) 54.86,111.33 55.11,111.08 55.11,102.27 55.31,102.07 55.36,102.12
  Top w0.4: C14#9.1 60.42,101.09 L3#4.1 59.81,99.1 59.36,99.55 59.36,102.55 59.06,102.85 56.81,102.85 56.56,102.6 U7#2.1 56.01,101.75 55.68,102.07 55.31,102.07
  Top w0.5: v3(63.16,114.5) 65.46,114.5 65.66,114.3 66.66,114.3 67.26,114.9 67.26,115.87 ; 67.26,115.87 66.63,116.5 U3#4.2 ; 67.26,115.87 C2#3.2 ; v3(61.16,114.4) 61.13,114.42 C12.2 57.38,114.42 56.76,113.8 v3(56.76,113.6)
  Top w0.6: U1#5.5 70.85,119.19 BT1#2.1
  Bottom w0.3: v3(56.54,111.95) 54.88,111.95 v1(54.86,111.93)
  Bottom w0.5: v3(56.76,113.6) 56.76,112.17 v3(56.54,111.95) ; v3(63.16,114.5) 61.26,114.5 v3(61.16,114.4)
Board_1-VBUS: length 20.9
  Top w0.3: 64.76,122.7 66.66,122.7 67.62,121.73 U1#5.7 ; 64.76,122.7 64.76,119.5 64.45,119.19 U1#5.4 ; 64.76,122.7 64.45,123 U1#5.1 ; C1#5.1 60.58,120.3 R1#9.1
  Top w0.5: J2#6.6 62.16,113.3 62.16,117.7 61.76,118.1 C1#5.1 63.58,119.12 U1#5.4
Board_2-5V_REG_EN: length 30.3
  Top w0.2: U10#4.D1 123.51,100.93 122.43,99.85 121.87,99.85 v1(121.77,99.75) ; IC3#3.2 105.26,100.95 v4(105.8,101.49) ; v1(109.87,97.95) 109.87,100.05 R13#6.1 ; v1(109.8,101.38) 109.98,101.38 110.57,100.8
  Bottom w0.2: v4(105.8,101.49) 109.69,101.49 v1(109.8,101.38) ; v1(121.77,99.75) 121.62,99.9 121.27,99.9 120.67,99.3 120.67,98.7 118.17,96.2 118.17,94.95 117.47,94.25 111.69,94.25 109.87,96.07 v1(109.87,97.95)
